# Altium PCB Roll_Min_R01.PcbDoc (part 2 of 2)
Units mm, origin at the board's own origin, x right, y up, seen from the top; angles counter-clockwise.
Board outline 100 x 140 mm, 2 copper layers (TOP, BOT), stack 1.58 mm thick; 107 components, 80 nets, 269 pads, 47 vias.
Unrouted connection lines stored in the file: 32.
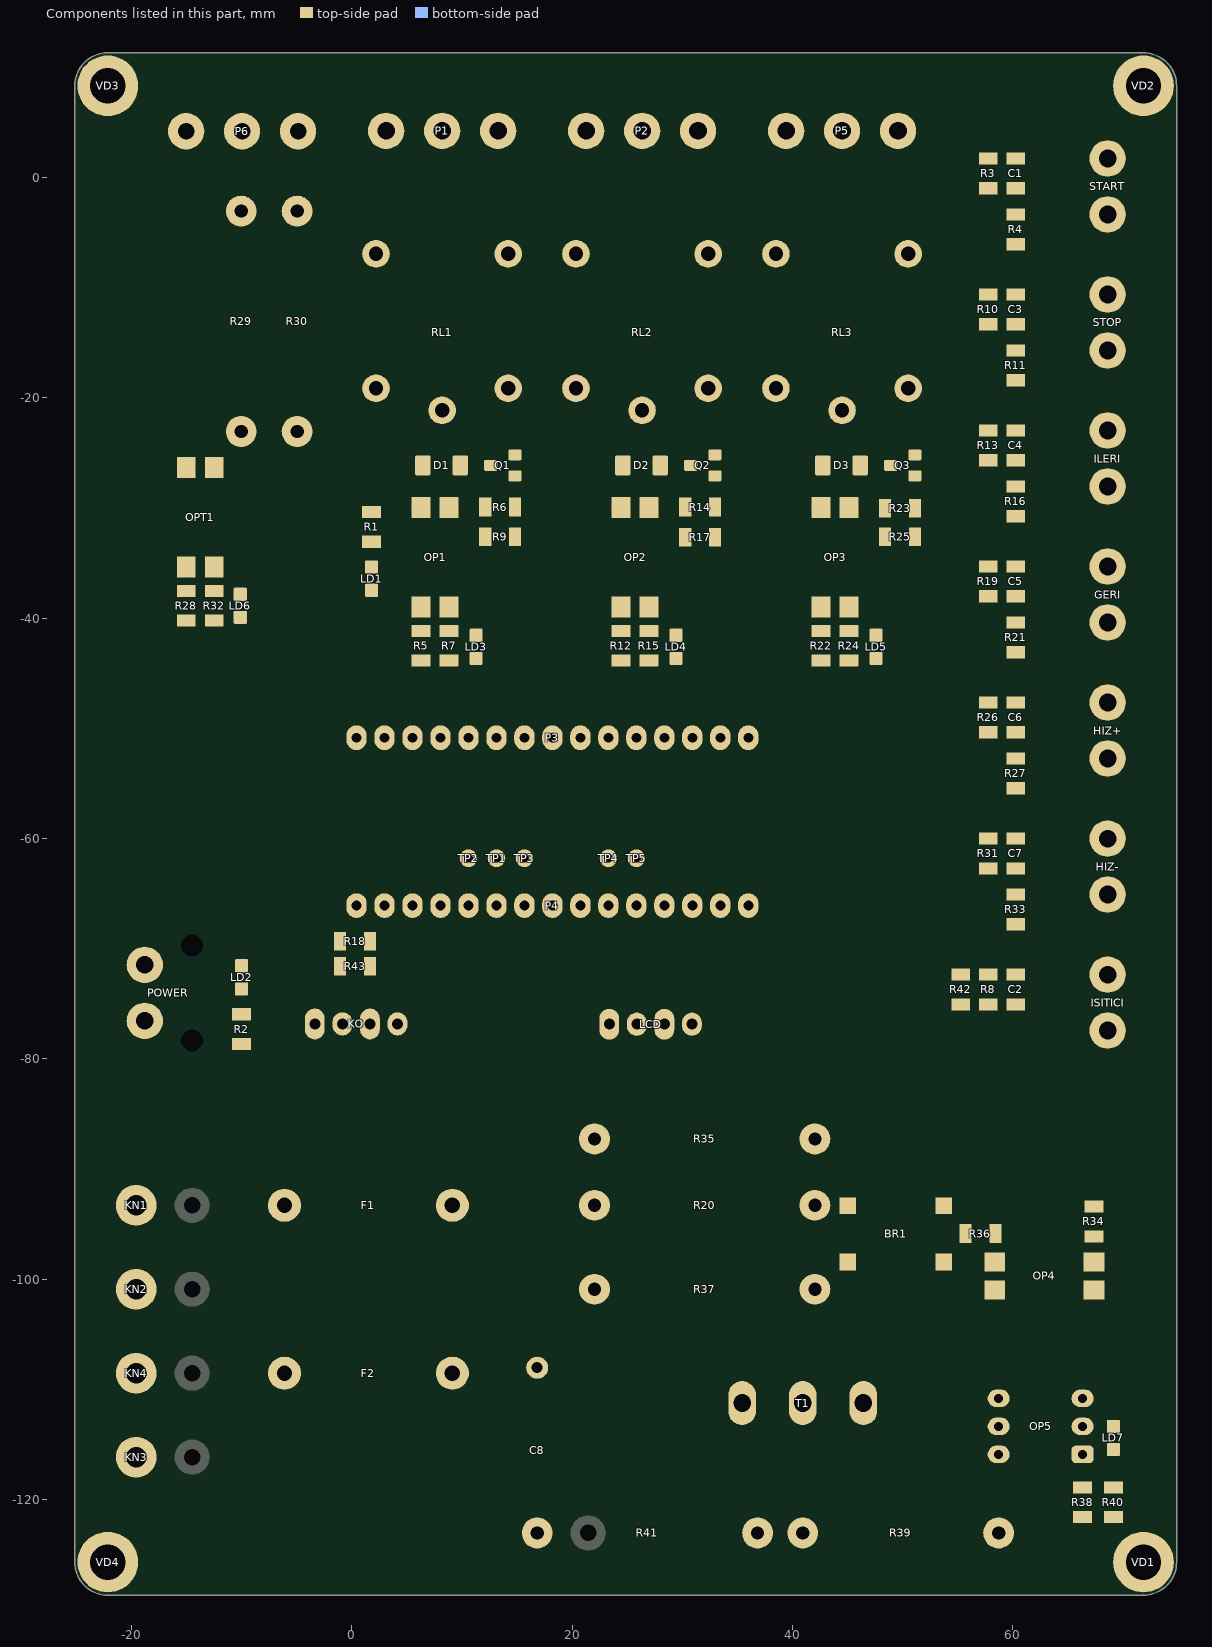
[diagram p2: the components of this part, seen from the top]

## Polygon pours and split planes (outlines as drawn) (continued)
NetBR1_2 on TOP "NETBR1_2_L01_P3568" (solid, remove dead copper, pour order 3568): 45.776,-97.684 45.776,-101.419 cw(c44.886,-101.419) 44.886,-102.309 42.047,-102.309 cw(c42.047,-100.904) 40.642,-100.904 40.642,-98.481 cw(c41.439,-98.481) 41.439,-97.684
NetC8_1 on TOP "NETC8_1_L01_P3603" (solid, remove dead copper, pour order 3603): 35.532,-109.234 33.609,-109.234 cw(c33.609,-103.462) 29.23,-107.222 ccw(c25.071,-110.793) 25.071,-105.311 8.423,-105.311 ccw(c8.423,-107.687) 6.047,-107.687 6.047,-112.78 ccw(c7.306,-112.78) 7.306,-114.039 35.599,-114.039 ccw(c35.599,-112.946) 36.692,-112.945 36.692,-110.394 ccw(c35.532,-110.394)
NOTR on TOP "NOTR_L01_P3604" (solid, remove dead copper, pour order 3604): -24.503,-100.235 -24.503,-116.287 ccw(c-22.791,-116.287) -22.791,-117.999 -14.133,-117.999 ccw(c-14.133,-116.746) -12.88,-116.746 -12.88,-114.299 -19.968,-114.299 cw(c-19.969,-112.065) -22.203,-112.064 -22.203,-105.239 cw(c-19.723,-105.238) -19.723,-102.759 21.78,-102.759 ccw(c21.78,-101.097) 23.442,-101.096 23.442,-100.721 ccw(c21.78,-100.721) 21.78,-99.059 -17.098,-99.059 -17.098,-99.074 -23.341,-99.074 ccw(c-23.341,-100.235)
NetF1_2 on TOP "NETF1_2_L01_P3602" (solid, remove dead copper, pour order 3602): -21.408,-89.616 -21.408,-93.466 ccw(c-19.734,-93.466) -19.734,-95.139 -3.478,-95.139 ccw(c-3.478,-94.258) -2.598,-94.258 -2.598,-89.648 ccw(c-3.468,-89.648) -3.468,-88.778 -20.569,-88.778 ccw(c-20.569,-89.616)
NetF2_2 on TOP "NETF2_2_L01_P3601" (solid, remove dead copper, pour order 3601): -21.408,-108.506 ccw(c-19.535,-108.506) -19.535,-110.379 -17.084,-110.379 -14.36,-110.379 cw(c-14.36,-112.973) -12.437,-111.231 ccw(c-8.508,-107.673) -8.508,-112.974 -4.413,-112.974 ccw(c-4.413,-111.159) -2.598,-111.158 -2.598,-105.735 ccw(c-3.753,-105.735) -3.753,-104.579 -10.031,-104.579 ccw(c-10.031,-107.414) -12.271,-105.675 cw(c-14.32,-104.084) -14.32,-106.679 -19.581,-106.679 ccw(c-19.581,-108.506)
NetBR1_1 on TOP "NETBR1_1_L01_P3595" (solid, remove dead copper, pour order 3595): 39.808,-94.689 44.994,-94.689 ccw(c44.994,-93.907) 45.776,-93.907 45.776,-87.232 ccw(c44.413,-87.232) 44.413,-85.869 39.722,-85.869 ccw(c39.722,-87.167) 38.423,-87.167 38.423,-93.304 ccw(c39.808,-93.304)
NetC8_2 on TOP "NETC8_2_L01_P3569" (solid, remove dead copper, pour order 3569): 23.06,-121.429 15.442,-121.429 15.442,-124.629 23.06,-124.629
NetOP5_4 on TOP "NETOP5_4_L01_P3586" (solid, remove dead copper, pour order 3586): 59.722,-110.025 59.722,-110.833 cw(c58.941,-110.833) 58.941,-111.614 49.312,-111.614 ccw(c49.312,-113.234) 47.85,-112.537 cw(c46.746,-112.011) 46.746,-113.234 46.411,-113.234 cw(c46.411,-112.015) 45.192,-112.015 45.192,-110.464 cw(c46.423,-110.464) 46.423,-109.234 58.931,-109.234 cw(c58.931,-110.025)
NetBR1_4 on TOP "NETBR1_4_L01_P3571" (solid, remove dead copper, pour order 3571): 54.472,-92.734 51.341,-92.734 ccw(c51.341,-93.876) 50.199,-93.876 50.199,-100.447 ccw(c51.476,-100.447) 51.476,-101.724 59.567,-101.724 59.567,-100.224 52.876,-100.224 cw(c52.876,-99.171) 51.823,-99.171 51.823,-94.691 cw(c52.58,-94.691) 52.58,-93.934 54.472,-93.934
NetOP5_6 on TOP "NETOP5_6_L01_P3570" (solid, remove dead copper, pour order 3570): 57.322,-116.315 57.322,-123.029 ccw(c58.722,-123.029) 58.722,-124.429 ccw(c58.722,-123.029) 60.122,-123.029 60.122,-116.294 ccw(c58.922,-116.294) 58.922,-115.094 58.543,-115.094 ccw(c58.543,-116.315)
NetLD7_2 on TOP "NETLD7_2_L01_P3559" (solid, remove dead copper, pour order 3559): 69.992,-119.444 68.292,-119.444 68.292,-115.224 cw(c68.662,-115.224) 68.662,-114.854 69.622,-114.854 cw(c69.622,-115.224) 69.992,-115.224
NetOP4_1 on TOP "NETOP4_1_L01_P3558" (solid, remove dead copper, pour order 3558): 57.467,-94.999 57.467,-99.184 59.267,-99.184 59.267,-94.999
NetBR1_3 on TOP "NETBR1_3_L01_P3557" (solid, remove dead copper, pour order 3557): 54.872,-99.034 52.972,-99.034 52.972,-97.834 54.581,-97.834 ccw(c54.581,-97.243) 55.172,-97.243 55.172,-94.999 56.272,-94.999 56.272,-97.634 cw(c54.872,-97.634)
NetOP5_1 on TOP "NETOP5_1_L01_P3556" (solid, remove dead copper, pour order 3556): 67.192,-119.444 65.492,-119.444 65.492,-116.124 cw(c65.862,-116.124) 65.862,-115.754 66.822,-115.754 cw(c66.822,-116.124) 67.192,-116.124
GND on TOP "GND_L01_P3563" (solid, remove dead copper, pour order 3563): 68.671,-48.209 68.671,-47.109 59.424,-47.109 59.424,-48.209
GND on TOP "GND_L01_P3565" (solid, remove dead copper, pour order 3565): 68.671,-60.554 68.671,-59.454 59.424,-59.454 59.424,-60.554

## Other copper
TOP:
  pour cut-out: 49.523,-31.268 51.565,-31.268 ccw(c51.565,-30.71) 52.123,-30.71 52.123,-26.973 ccw(c51.336,-26.973) 51.336,-26.186 49.523,-26.186
  pour cut-out: 13.223,-31.268 15.265,-31.268 ccw(c15.265,-30.71) 15.823,-30.71 15.823,-26.973 ccw(c15.036,-26.973) 15.036,-26.186 13.223,-26.186
  pour cut-out: 5.457,-77.866 5.457,-76.327 0.356,-76.327 0.356,-77.853 ccw(c1.13,-77.853) 1.13,-78.626 4.697,-78.626 ccw(c4.697,-77.866)
  pour cut-out: 66.658,-112.015 64.542,-112.015 64.542,-109.623 66.683,-109.623 cw(c66.683,-110.679) 67.739,-110.679 67.739,-110.934 cw(c66.658,-110.934)
  pour cut-out: 8.632,-52.476 25.676,-52.476 ccw(c25.676,-51.385) 26.767,-51.385 26.767,-49.181 8.632,-49.181
  pour cut-out: 52.151,-22.437 51.76,-22.437 51.76,7.582 52.158,7.582 52.158,-22.429 cw(c52.151,-22.429)
  pour cut-out: 31.373,-31.268 33.415,-31.268 ccw(c33.415,-30.71) 33.973,-30.71 33.973,-26.973 ccw(c33.186,-26.973) 33.186,-26.186 31.373,-26.186
  pour cut-out: 23.382,-76.85 23.382,-78.65 28.382,-78.65 28.382,-76.85
  pour cut-out: -1.594,-70.731 -1.594,-71.5 -3.925,-71.5 -3.925,-67.716 -0.708,-67.716 -0.708,-70.731 -1.044,-70.731
  pour cut-out: 23.373,-60.594 25.913,-60.594 25.913,-60.853 23.373,-60.853
  pour cut-out: 64.752,-88.61 67.207,-91.066 66.076,-92.197 63.62,-89.741
  pour cut-out: 67.117,-99.684 67.117,-95.682 68.717,-95.682 68.717,-99.684
  pour cut-out: 64.667,-114.154 74.742,-114.154 74.742,-114.854 64.667,-114.854
  pour cut-out: -15.952,-38.077 -13.152,-38.077 -13.152,-39.677 -15.952,-39.677
  pour cut-out: 5.353,-41.702 8.153,-41.702 8.153,-43.302 5.353,-43.302
  pour cut-out: 41.653,-41.702 44.453,-41.702 44.453,-43.302 41.653,-43.302
  pour cut-out: 23.503,-41.702 26.303,-41.702 26.303,-43.302 23.503,-43.302
  pour cut-out: 28.42,-54.102 25.72,-54.102 25.72,-53.452 28.42,-53.452
  pour cut-out: 30.922,-51.73 33.622,-51.73 33.622,-52.379 30.922,-52.379
  pour cut-out: 30.253,-50.504 30.253,-47.804 29.603,-47.804 29.603,-50.504
  pour cut-out: 58.367,-77.979 58.367,-81.956 59.424,-81.956 59.424,-77.979
  pour cut-out: 46.825,-30.917 46.825,-31.325 41.778,-31.325 41.778,-30.917
  pour cut-out: 28.668,-30.917 28.668,-31.325 23.62,-31.325 23.62,-30.917
  pour cut-out: 10.342,-30.918 10.342,-31.326 0.551,-31.326 0.551,-30.918
  pour cut-out: -11.204,-27.292 -11.204,-27.7 -16.252,-27.7 -16.252,-27.292
  pour cut-out: -8.74,-72.648 -8.74,-76.902 -11.24,-76.902 -11.24,-72.648
  pour cut-out: -11.24,-81.306 -11.24,-77.702 -8.74,-77.702 -8.74,-81.306
  pour cut-out: -17.08,7.743 -17.08,-27.7 -15.852,-27.7 -15.852,7.743
  pour cut-out: 50.523,-23.783 50.523,-26.256 50.223,-26.256 50.223,-23.783
  pour cut-out: 32.372,-23.783 32.372,-26.256 32.073,-26.256 32.073,-23.783
  pour cut-out: 14.223,-23.783 14.223,-26.256 13.923,-26.256 13.923,-23.783
  pour cut-out: 0.892,-70.731 -2.058,-70.731 -2.058,-70.281 0.892,-70.281
  pour cut-out: 46.996,-46.156 46.996,-42.731 46.319,-42.731 46.319,-46.156
  pour cut-out: 28.846,-45.481 28.846,-43.058 28.169,-43.058 28.169,-45.481
  pour cut-out: 66.767,-99.284 66.767,-90.106 66.017,-90.106 66.017,-99.284
  pour cut-out: 59.124,-74.499 59.124,-71.399 58.474,-71.399 58.474,-74.499
  pour cut-out: 57.174,-0.809 57.174,-3.909 56.524,-3.909 56.524,-0.809
  pour cut-out: -2.988,-24.877 -10.626,-24.877 -10.626,-24.715 -2.988,-24.715
  pour cut-out: -2.813,5.664 -2.813,-24.877 -3.162,-24.877 -3.162,5.664
  pour cut-out: -4.842,7.743 -16.5,7.743 -16.5,7.394 -4.842,7.394
  pour cut-out: 31.803,-24.167 37.262,-24.167 37.262,-23.801 31.803,-23.801
  pour cut-out: 13.663,-24.159 19.122,-24.159 19.122,-23.793 13.663,-23.793
  pour cut-out: 0.567,7.775 52.158,7.775 52.158,7.388 0.567,7.388
  pour cut-out: 0.562,-24.691 0.96,-24.691 0.96,7.582 0.562,7.582
  pour cut-out: 49.523,-30.619 46.285,-30.619 46.285,-33.868 49.523,-33.868
  pour cut-out: 43.567,-24.159 47.767,-24.159 47.767,-23.509 43.567,-23.509
  pour cut-out: 13.223,-30.619 9.985,-30.619 9.985,-33.868 13.223,-33.868
  pour cut-out: 7.267,-24.159 11.467,-24.159 11.467,-23.509 7.267,-23.509
  pour cut-out: 31.373,-30.619 28.135,-30.619 28.135,-33.902 31.373,-33.902
  pour cut-out: 25.417,-24.159 29.617,-24.159 29.617,-23.509 25.417,-23.509
  pour cut-out: 59.424,-37.464 59.424,-31.153 58.624,-31.153 58.624,-37.464
  pour cut-out: -16.252,-37.209 -16.252,-39.744 -15.865,-39.744 -15.865,-37.209
  pour cut-out: -9.008,-36.577 -13.747,-36.577 -13.747,-39.331 -9.008,-39.331
  pour cut-out: 5.053,-40.835 5.053,-43.37 5.44,-43.37 5.44,-40.835
  pour cut-out: 12.296,-40.202 7.558,-40.202 7.558,-43.056 12.296,-43.056
  pour cut-out: 23.203,-40.835 23.203,-43.37 23.59,-43.37 23.59,-40.835
  pour cut-out: 30.446,-40.202 25.708,-40.202 25.708,-43.056 30.446,-43.056
  pour cut-out: 48.596,-40.202 43.858,-40.202 43.858,-43.056 48.596,-43.056
  pour cut-out: 10.602,-61.7 10.602,-60.493 15.682,-60.493 15.682,-61.753
  pour cut-out: 56.524,-3.909 56.524,-12.774 59.424,-12.774 59.424,-3.909
  pour cut-out: 61.624,-56.389 61.624,-53.289 60.974,-53.289 60.974,-56.389
  pour cut-out: 59.424,-49.809 59.424,-43.806 58.474,-43.806 58.474,-49.809
  pour cut-out: 61.624,-68.734 61.624,-65.634 60.974,-65.634 60.974,-68.734
  pour cut-out: 59.124,-62.154 59.124,-56.041 58.474,-56.041 58.474,-62.154
  pour cut-out: 61.624,-7.009 61.624,-3.909 60.974,-3.909 60.974,-7.009
  pour cut-out: 59.124,-0.429 59.124,4.36 56.424,4.36 56.424,-0.429
  pour cut-out: 61.624,-19.454 61.624,-16.254 59.024,-16.254 59.024,-19.454
  pour cut-out: 59.424,-25.119 59.424,-18.808 58.624,-18.808 58.624,-25.119
  pour cut-out: 61.624,-31.699 61.624,-28.599 60.974,-28.599 60.974,-31.699
  pour cut-out: 61.624,-44.044 61.624,-40.944 60.974,-40.944 60.974,-44.044
  pour cut-out: -0.983,-67.716 32.303,-67.716 32.303,-64.5 -0.983,-64.5
  pour cut-out: -0.983,-50.652 -0.983,-53.881 -0.333,-53.881 -0.333,-50.652
  pour cut-out: 74.617,-122.908 74.617,-119.444 64.742,-119.444 64.742,-122.908
  pour cut-out: 41.353,-40.835 41.353,-43.37 41.74,-43.37 41.74,-40.835
  pour cut-out: 0.559,-36.595 0.559,-32.118 3.059,-32.118 3.059,-36.595
BOT:
  pour cut-out: 27.482,-77.881 28.382,-78.656 27.482,-78.656 23.415,-78.656 cw(c23.415,-77.317) 22.076,-77.317 22.076,-76.322 cw(c23.354,-76.322) 23.354,-75.044 27.482,-75.044
  pour cut-out: -0.983,-50.652 -0.983,-49.803 cw(c-0.407,-49.803) -0.407,-49.228 26.788,-49.228 cw(c26.788,-49.707) 27.267,-49.707 27.267,-52.023 cw(c26.814,-52.023) 26.814,-52.476 -0.451,-52.476 cw(c-0.451,-51.945) -0.983,-51.945 -0.983,-50.635
  pour cut-out: 30.041,-49.228 36.788,-49.228 cw(c36.788,-49.867) 37.427,-49.867 37.427,-51.861 cw(c36.812,-51.861) 36.812,-52.476 29.976,-52.476 cw(c29.976,-51.996) 29.497,-51.996 29.497,-49.771 cw(c30.041,-49.771)
  pour cut-out: 23.184,-60.592 27.112,-60.592 27.112,-61.037 23.184,-61.037
  pour cut-out: 15.682,-62.192 10.484,-62.192 10.484,-60.592 15.682,-60.592
  pour cut-out: 52.972,-81.027 35.077,-81.027 35.077,-81.692 53.637,-81.692
  pour cut-out: 0.96,-24.691 2.924,-24.691 2.924,-24.529 0.96,-24.529
  pour cut-out: -2.813,-24.877 -4.777,-24.877 -4.777,-24.176 -2.813,-24.176
  pour cut-out: -2.813,5.664 -2.813,-24.877 -3.162,-24.877 -3.162,5.664
  pour cut-out: 0.425,-67.717 0.425,-64.475 27.253,-64.475 27.253,-67.717
  pour cut-out: 36.929,-81.199 37.327,-81.199 37.327,-79.781 36.929,-79.781
  pour cut-out: 0.562,-24.691 0.96,-24.691 0.96,7.582 0.562,7.582
  pour cut-out: 52.158,-22.781 51.76,-22.781 51.76,7.582 52.158,7.582
  pour cut-out: -25.133,-81.127 -21.949,-81.127 -21.949,-81.514 -25.133,-81.514
  pour cut-out: 62.741,-128.682 62.741,-126.381 62.354,-126.381 62.354,-128.682
  pour cut-out: 0.567,7.775 52.158,7.775 52.158,7.388 0.567,7.388
Multi-Layer:
  pour cut-out: 61.812,-96.295 63.312,-96.295 cw(c63.312,-97.81) 64.827,-97.81 64.827,-126.929 60.255,-126.929 60.255,-97.852 cw(c61.812,-97.852)

## Silkscreen, mask and mechanical layers (free items; w line width, h text height)
Top Overlay:
  text "NC" at 2.083,-1.028 h2
  text "COM" at 6.554,-1.026 h2
  text "NO" at 12.241,-1.026 h2
  text "NC" at 20.208,-1.028 h2
  text "COM" at 24.789,-1.026 h2
  text "NO" at 30.476,-1.026 h2
  text "NC" at 38.412,-1.028 h2
  text "COM" at 42.797,-1.026 h2
  text "NO" at 48.711,-1.026 h2
  text "GND" at -6.891,-1.529 h2.5
  text "AVI" at -11.436,-1.553 h2.5
  text "+10V" at -17.308,-1.728 h2.5
  text "EA" at -21.152,-32.622 h3 r90
  text "10.25" at -22.977,-34.247 h3 r90
  text "AZL-001-R01" at -19.139,-37.644 h3 r90
  text "5V" at 0.56,-40.307 h3
  text "G" at -23.598,-49.039 h10
  text "K" at -18.5,-54.5 h5
  text "O" at -24.858,-55.329 h5
  text "--->" at -0.107,-57.508 h4 r180
  text "NANO" at 0.5,-59.5 h4
  text "5-12V DC" at -23.218,-62.817 h5
  text "-" at -12.508,-69.843 h5
  text "SDA" at 23.598,-72.269 h2 r90
  text "SCL" at 26.23,-72.269 h2 r90
  text "5V" at 28.853,-72.269 h2 r90
  text "GND" at 31.485,-72.269 h2 r90
  text "+" at -12.892,-81.874 h5
  text "220V" at -22.181,-85.852 h5
  text "AC" at -11.893,-85.847 h5
  text "L" at -12.69,-88.778 h5
  text "ZC" at 48.791,-94.78 h3 r270
  text "N" at -12.69,-98.409 h5
  text "L" at -12.69,-108.04 h5
  text "N" at -12.69,-117.672 h5
  text "ISITICI" at -19.056,-123.567 h5
  text "D" at -4.134,-125.965 h10
BOARD_OUTLINE_GRB:
  lines w0.1: -25.133,-125.681 ccw(c-22.133,-125.681) -22.133,-128.681 71.867,-128.681 ccw(c71.867,-125.681) 74.867,-125.681 74.867,8.319 ccw(c71.867,8.319) 71.867,11.319 -22.133,11.319 ccw(c-22.133,8.319) -25.133,8.319 -25.133,-125.681
  lines w0.254: -22.4,-82.09 cw(c-21.838,-82.09) -21.838,-81.527 -16.338,-81.527 cw(c-16.338,-82.09) -15.775,-82.09 cw(c-16.338,-82.09) -16.338,-82.652 -21.838,-82.652 cw(c-21.838,-82.09) -22.4,-82.09 ; -13.775,-82.09 cw(c-13.213,-82.09) -13.213,-81.527 -7.713,-81.527 cw(c-7.713,-82.09) -7.15,-82.09 cw(c-7.713,-82.09) -7.713,-82.652 -13.213,-82.652 cw(c-13.213,-82.09) -13.775,-82.09 ; -5.15,-82.09 cw(c-4.588,-82.09) -4.588,-81.527 0.912,-81.527 cw(c0.912,-82.09) 1.475,-82.09 cw(c0.912,-82.09) 0.912,-82.652 -4.588,-82.652 cw(c-4.588,-82.09) -5.15,-82.09 ; 3.475,-82.09 cw(c4.037,-82.09) 4.037,-81.527 9.537,-81.527 cw(c9.537,-82.09) 10.1,-82.09 cw(c9.537,-82.09) 9.537,-82.652 4.037,-82.652 cw(c4.037,-82.09) 3.475,-82.09 ; 12.1,-82.09 cw(c12.662,-82.09) 12.662,-81.527 18.162,-81.527 cw(c18.162,-82.09) 18.725,-82.09 cw(c18.162,-82.09) 18.162,-82.652 12.662,-82.652 cw(c12.662,-82.09) 12.1,-82.09 ; 20.725,-82.09 cw(c21.287,-82.09) 21.287,-81.527 26.787,-81.527 cw(c26.787,-82.09) 27.35,-82.09 cw(c26.787,-82.09) 26.787,-82.652 21.287,-82.652 cw(c21.287,-82.09) 20.725,-82.09 ; 29.35,-82.09 cw(c29.912,-82.09) 29.912,-81.527 35.412,-81.527 cw(c35.412,-82.09) 35.975,-82.09 cw(c35.412,-82.09) 35.412,-82.652 29.912,-82.652 cw(c29.912,-82.09) 29.35,-82.09 ; 37.204,-114.544 ccw(c37.767,-114.544) 37.767,-115.106 ccw(c37.767,-114.544) 38.329,-114.544 38.329,-109.044 ccw(c37.767,-109.044) 37.767,-108.481 ccw(c37.767,-109.044) 37.204,-109.044 37.204,-114.544 ; 37.975,-82.09 cw(c38.537,-82.09) 38.537,-81.527 44.037,-81.527 cw(c44.037,-82.09) 44.6,-82.09 cw(c44.037,-82.09) 44.037,-82.652 38.537,-82.652 cw(c38.537,-82.09) 37.975,-82.09 ; 43.487,-114.552 ccw(c44.05,-114.552) 44.05,-115.115 ccw(c44.05,-114.552) 44.612,-114.552 44.612,-109.052 ccw(c44.05,-109.052) 44.05,-108.49 ccw(c44.05,-109.052) 43.487,-109.052 43.487,-114.552 ; 46.6,-82.09 cw(c47.162,-82.09) 47.162,-81.527 52.662,-81.527 cw(c52.662,-82.09) 53.225,-82.09 cw(c52.662,-82.09) 52.662,-82.652 47.162,-82.652 cw(c47.162,-82.09) 46.6,-82.09 ; 55.977,-86.607 cw(c56.374,-86.21) 55.977,-85.812 cw(c56.374,-86.21) 56.772,-85.812 60.661,-89.701 cw(c60.264,-90.099) 60.661,-90.496 cw(c60.263,-90.099) 59.866,-90.496 55.977,-86.607 ; 61.973,-125.836 ccw(c62.535,-125.836) 62.535,-126.398 ccw(c62.535,-125.836) 63.098,-125.836 63.098,-120.336 ccw(c62.535,-120.336) 62.535,-119.773 ccw(c62.535,-120.336) 61.973,-120.336 61.973,-125.836 ; 61.973,-117.211 ccw(c62.535,-117.211) 62.535,-117.773 ccw(c62.535,-117.211) 63.098,-117.211 63.098,-111.711 ccw(c62.535,-111.711) 62.535,-111.148 ccw(c62.535,-111.711) 61.973,-111.711 61.973,-117.211 ; 61.973,-108.586 ccw(c62.535,-108.586) 62.535,-109.148 ccw(c62.535,-108.586) 63.098,-108.586 63.098,-103.086 ccw(c62.535,-103.086) 62.535,-102.523 ccw(c62.535,-103.086) 61.973,-103.086 61.973,-108.586 ; 61.973,-99.961 ccw(c62.535,-99.961) 62.535,-100.523 ccw(c62.535,-99.961) 63.098,-99.961 63.098,-94.461 ccw(c62.535,-94.461) 62.535,-93.898 ccw(c62.535,-94.461) 61.973,-94.461 61.973,-99.961
3D_BODY:
  lines w0.254: -25.158,-120.234 -13.958,-104.444 ; -25.158,-104.994 -13.958,-89.204 ; -25.158,-104.444 -13.958,-120.234 ; -25.158,-89.204 -13.958,-104.994
Drill Drawing:
  circle w0.15: c-42.087,-185.272 r0.333
  circle w0.15: c-42.087,-185.272 r0.556
  circle w0.15: c-42.087,-192.772 r0.556
  lines w0.15: -42.642,-190.272 -42.087,-190.827 -41.531,-190.272 -42.087,-189.716 -42.642,-190.272 ; -42.642,-188.327 -42.087,-188.05 -41.531,-188.327 -41.809,-187.772 -41.531,-187.216 -42.087,-187.494 -42.642,-187.216 -42.364,-187.772 -42.642,-188.327 ; -42.642,-183.327 -42.087,-183.05 -41.531,-183.327 -41.809,-182.772 -41.531,-182.216 -42.087,-182.494 -42.642,-182.216 -42.364,-182.772 -42.642,-183.327 ; -42.642,-180.827 -41.531,-180.827 -41.531,-179.716 -42.642,-179.716 -42.642,-180.827 ; -42.642,-178.05 -42.364,-178.05 -42.087,-178.327 -41.809,-178.05 -41.531,-178.05 -41.809,-177.772 -41.531,-177.494 -41.809,-177.494 -42.087,-177.216 -42.364,-177.494 -42.642,-177.494 -42.364,-177.772 -42.642,-178.05 ; -42.642,-175.827 -41.531,-175.827 -41.531,-174.716 -42.642,-174.716 -42.642,-175.827 ; -42.642,-173.05 -42.364,-173.05 -42.087,-173.327 -41.809,-173.05 -41.531,-173.05 -41.809,-172.772 -41.531,-172.494 -41.809,-172.494 -42.087,-172.216 -42.364,-172.494 -42.642,-172.494 -42.364,-172.772 -42.642,-173.05 ; -42.642,-169.716 -41.531,-169.716 -42.087,-170.827 -42.642,-169.716 ; -42.642,-168.327 -42.642,-168.05 -42.364,-167.772 -42.642,-167.494 -42.642,-167.216 -42.364,-167.216 -42.087,-167.494 -41.809,-167.216 -41.531,-167.216 -41.531,-167.494 -41.809,-167.772 -41.531,-168.05 -41.531,-168.327 -41.809,-168.327 -42.087,-168.05 -42.364,-168.327 -42.642,-168.327 ; -42.642,-165.55 -42.364,-165.55 -42.364,-165.827 -41.809,-165.827 -41.809,-165.55 -41.531,-165.55 -41.531,-164.994 -41.809,-164.994 -41.809,-164.716 -42.364,-164.716 -42.364,-164.994 -42.642,-164.994 -42.642,-165.55 ; -42.642,-162.216 -41.531,-162.216 -42.087,-163.327 -42.642,-162.216 ; -42.42,-183.105 -42.087,-182.938 -41.753,-183.105 -41.92,-182.772 -41.753,-182.438 -42.087,-182.605 -42.42,-182.438 -42.253,-182.772 -42.42,-183.105 ; -42.42,-177.938 -42.253,-177.938 -42.087,-178.105 -41.92,-177.938 -41.753,-177.938 -41.92,-177.772 -41.753,-177.605 -41.92,-177.605 -42.087,-177.438 -42.253,-177.605 -42.42,-177.605 -42.253,-177.772 -42.42,-177.938 ; -42.42,-175.605 -41.753,-175.605 -41.753,-174.938 -42.42,-174.938 -42.42,-175.605 ; -42.42,-162.438 -41.753,-162.438 -42.087,-163.105 -42.42,-162.438
  lines w0.381: -43.633,-194.077 88.957,-194.077 ; -43.633,-161.577 88.957,-161.577 ; -34.506,-196.577 -34.506,-159.077 ; -24.708,-196.577 -24.708,-159.077 ; -5.58,-196.577 -5.58,-159.077 ; 2.798,-196.577 2.798,-159.077 ; 14.974,-196.577 14.974,-159.077 ; 34.748,-196.577 34.748,-159.077 ; 44.526,-196.577 44.526,-159.077 ; 56.903,-196.577 56.903,-159.077 ; 74.031,-196.577 74.031,-159.077 ; -43.633,-196.577 88.957,-196.577 88.957,-159.077 -43.633,-159.077 -43.633,-196.577
  text "Symbol" at -42.133,-160.827 h1.2
  text "Count" at -33.756,-160.827 h1.2
  text "Hole Size" at -23.958,-160.827 h1.2
  text "Plated" at -4.83,-160.827 h1.2
  text "Hole Type" at 3.548,-160.827 h1.2
  text "Drill Layer Pair" at 15.724,-160.827 h1.2
  text "Via/Pad" at 35.498,-160.827 h1.2
  text "Pad Shape" at 45.276,-160.827 h1.2
  text "Template" at 57.653,-160.827 h1.2
  text "Description" at 74.781,-160.827 h1.2
  text "11" at -33.756,-163.327 h1
  text "0.800mm (31.50mil)" at -23.958,-163.327 h1
  text "PTH" at -4.83,-163.327 h1
  text "Round" at 3.548,-163.327 h1
  text "TOP - BOT" at 15.724,-163.327 h1
  text "Pad" at 35.498,-163.327 h1
  text "(Mixed)" at 45.276,-163.327 h1
  text "(Mixed)" at 57.653,-163.327 h1
  text "30" at -33.756,-165.827 h1
  text "0.900mm (35.43mil)" at -23.958,-165.827 h1
  text "PTH" at -4.83,-165.827 h1
  text "Round" at 3.548,-165.827 h1
  text "TOP - BOT" at 15.724,-165.827 h1
  text "Pad" at 35.498,-165.827 h1
  text "Rounded" at 45.276,-165.827 h1
  text "r185_225h90r92" at 57.653,-165.827 h1
  text "9" at -33.756,-168.327 h1
  text "1.000mm (39.37mil)" at -23.958,-168.327 h1
  text "PTH" at -4.83,-168.327 h1
  text "Round" at 3.548,-168.327 h1
  text "TOP - BOT" at 15.724,-168.327 h1
  text "Pad" at 35.498,-168.327 h1
  text "Rounded" at 45.276,-168.327 h1
  text "(Mixed)" at 57.653,-168.327 h1
  text "14" at -33.756,-170.827 h1
  text "1.200mm (47.24mil)" at -23.958,-170.827 h1
  text "PTH" at -4.83,-170.827 h1
  text "Round" at 3.548,-170.827 h1
  text "TOP - BOT" at 15.724,-170.827 h1
  text "Pad" at 35.498,-170.827 h1
  text "Rounded" at 45.276,-170.827 h1
  text "c280h120" at 57.653,-170.827 h1
  text "15" at -33.756,-173.327 h1
  text "1.300mm (51.18mil)" at -23.958,-173.327 h1
  text "PTH" at -4.83,-173.327 h1
  text "Round" at 3.548,-173.327 h1
  text "TOP - BOT" at 15.724,-173.327 h1
  text "Pad" at 35.498,-173.327 h1
  text "Rounded" at 45.276,-173.327 h1
  text "c250h130" at 57.653,-173.327 h1
  text "4" at -33.756,-175.827 h1
  text "1.400mm (55.12mil)" at -23.958,-175.827 h1
  text "PTH" at -4.83,-175.827 h1
  text "Round" at 3.548,-175.827 h1
  text "TOP - BOT" at 15.724,-175.827 h1
  text "Pad" at 35.498,-175.827 h1
  text "Rounded" at 45.276,-175.827 h1
  text "c300h140" at 57.653,-175.827 h1
  text "8" at -33.756,-178.327 h1
  text "1.500mm (59.06mil)" at -23.958,-178.327 h1
  text "PTH" at -4.83,-178.327 h1
  text "Round" at 3.548,-178.327 h1
  text "TOP - BOT" at 15.724,-178.327 h1
  text "Pad" at 35.498,-178.327 h1
  text "Rounded" at 45.276,-178.327 h1
  text "(Mixed)" at 57.653,-178.327 h1
  text "25" at -33.756,-180.827 h1
  text "1.600mm (62.99mil)" at -23.958,-180.827 h1
  text "PTH" at -4.83,-180.827 h1
  text "Round" at 3.548,-180.827 h1
  text "TOP - BOT" at 15.724,-180.827 h1
  text "Pad" at 35.498,-180.827 h1
  text "Rounded" at 45.276,-180.827 h1
  text "c330h160m350" at 57.653,-180.827 h1
  text "3" at -33.756,-183.327 h1
  text "1.600mm (63.00mil)" at -23.958,-183.327 h1
  text "PTH" at -4.83,-183.327 h1
  text "Round" at 3.548,-183.327 h1
  text "TOP - BOT" at 15.724,-183.327 h1
  text "Pad" at 35.498,-183.327 h1
  text "Rounded" at 45.276,-183.327 h1
  text "r250_400h160r125" at 57.653,-183.327 h1
  text "4" at -33.756,-185.827 h1
  text "1.850mm (72.84mil)" at -23.958,-185.827 h1
  text "PTH" at -4.83,-185.827 h1
  text "Round" at 3.548,-185.827 h1
  text "TOP - BOT" at 15.724,-185.827 h1
  text "Pad" at 35.498,-185.827 h1
  text "Rounded" at 45.276,-185.827 h1
  text "c370h185" at 57.653,-185.827 h1
  text "2" at -33.756,-188.327 h1
  text "2.000mm (78.74mil)" at -23.958,-188.327 h1
  text "NPTH" at -4.83,-188.327 h1
  text "Round" at 3.548,-188.327 h1
  text "TOP - BOT" at 15.724,-188.327 h1
  text "Pad" at 35.498,-188.327 h1
  text "Rounded" at 45.276,-188.327 h1
  text "c150hn200" at 57.653,-188.327 h1
  text "4" at -33.756,-190.827 h1
  text "3.200mm (125.98mil)" at -23.958,-190.827 h1
  text "PTH" at -4.83,-190.827 h1
  text "Round" at 3.548,-190.827 h1
  text "TOP - BOT" at 15.724,-190.827 h1
  text "Pad" at 35.498,-190.827 h1
  text "Rounded" at 45.276,-190.827 h1
  text "c550h320m570" at 57.653,-190.827 h1
  text "47" at -33.756,-193.327 h1
  text "0.500mm (19.69mil)" at -23.958,-193.327 h1
  text "PTH" at -4.83,-193.327 h1
  text "Round" at 3.548,-193.327 h1
  text "TOP - BOT" at 15.724,-193.327 h1
  text "Via" at 35.498,-193.327 h1
  text "Rounded" at 45.276,-193.327 h1
  text "v100h50m0mx0" at 57.653,-193.327 h1
  text "176 Total" at -33.756,-195.827 h1

## Text inside footprints (layer, text, board x,y; h text height)
GERI: Top Overlay "D" at 62.687,-40.129 h1 r90; Top Overlay "-" at 62.354,-35.154 h1 r180; TOP_ASSY "1" at 70.712,-35.154 h1 r270; TOP_ASSY "2" at 70.912,-39.854 h1 r270
HIZ+: Top Overlay "D" at 62.687,-52.474 h1 r90; Top Overlay "-" at 62.354,-47.499 h1 r180; TOP_ASSY "1" at 70.712,-47.499 h1 r270; TOP_ASSY "2" at 70.912,-52.199 h1 r270
HIZ-: Top Overlay "D" at 62.687,-64.819 h1 r90; Top Overlay "-" at 62.354,-59.844 h1 r180; TOP_ASSY "1" at 70.712,-59.844 h1 r270; TOP_ASSY "2" at 70.912,-64.544 h1 r270
ILERI: Top Overlay "D" at 62.687,-27.784 h1 r90; Top Overlay "-" at 62.354,-22.684 h1 r180; TOP_ASSY "1" at 70.712,-22.809 h1 r270; TOP_ASSY "2" at 70.912,-27.509 h1 r270
ISITICI: Top Overlay "D" at 62.687,-77.164 h1 r90; Top Overlay "-" at 62.354,-72.189 h1 r180; TOP_ASSY "1" at 70.712,-72.189 h1 r270; TOP_ASSY "2" at 70.912,-76.889 h1 r270
P1: TOP_ASSY "2" at 7.67,6.525 h1; TOP_ASSY "1" at 2.97,6.325 h1
P2: TOP_ASSY "2" at 25.82,6.525 h1; TOP_ASSY "1" at 21.12,6.325 h1
P3: Top Overlay "15" at 35.697,-53.752 h1; Top Overlay "1" at 0.442,-53.852 h1; TOP_ASSY "1" at 0.442,-53.852 h1
P4: Top Overlay "15" at 35.697,-68.992 h1; Top Overlay "1" at 0.442,-69.092 h1; TOP_ASSY "1" at 0.442,-69.092 h1
P5: TOP_ASSY "2" at 43.97,6.525 h1; TOP_ASSY "1" at 39.27,6.325 h1
P6: TOP_ASSY "2" at -10.487,6.493 h1; TOP_ASSY "1" at -15.187,6.293 h1
POWER: TOP_ASSY "1" at -20.876,-76.709 h1 r90; TOP_ASSY "2" at -21.076,-72.009 h1 r90
START: Top Overlay "D" at 62.687,-3.094 h1 r90; Top Overlay "-" at 62.354,1.881 h1 r180; TOP_ASSY "1" at 70.712,1.881 h1 r270; TOP_ASSY "2" at 70.912,-2.819 h1 r270
STOP: Top Overlay "D" at 62.687,-15.439 h1 r90; Top Overlay "-" at 62.354,-10.464 h1 r180; TOP_ASSY "1" at 70.712,-10.464 h1 r270; TOP_ASSY "2" at 70.912,-15.164 h1 r270